# Altium PCB Boost Drive.PcbDoc
Units mil, origin at the board's own origin, x right, y up, seen from the top; angles counter-clockwise.
Board outline 2424.88 x 1854.35 mil, 2 copper layers (Top Layer, Bottom Layer); 31 components, 27 nets, 110 pads, 89 vias.
Unrouted connection lines stored in the file: 31.
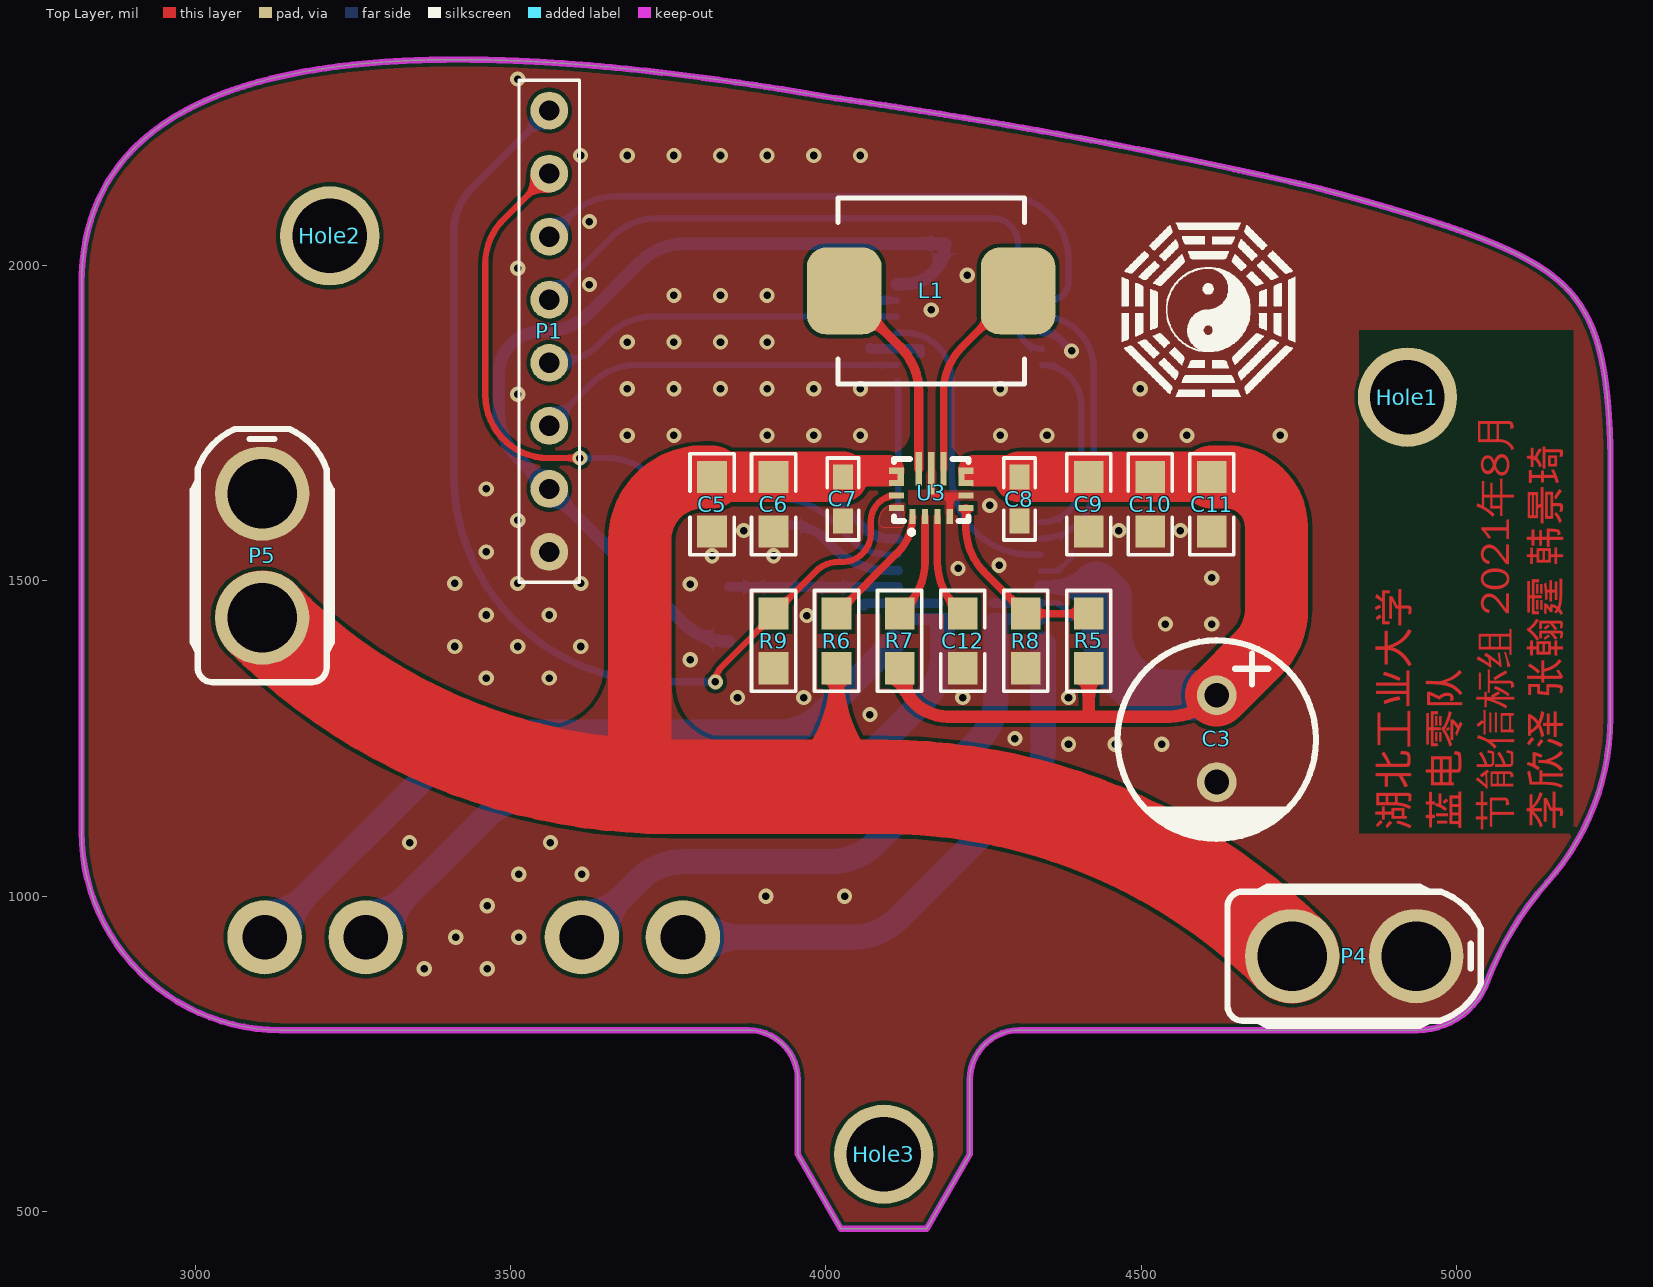
[diagram p0: Top Layer view]
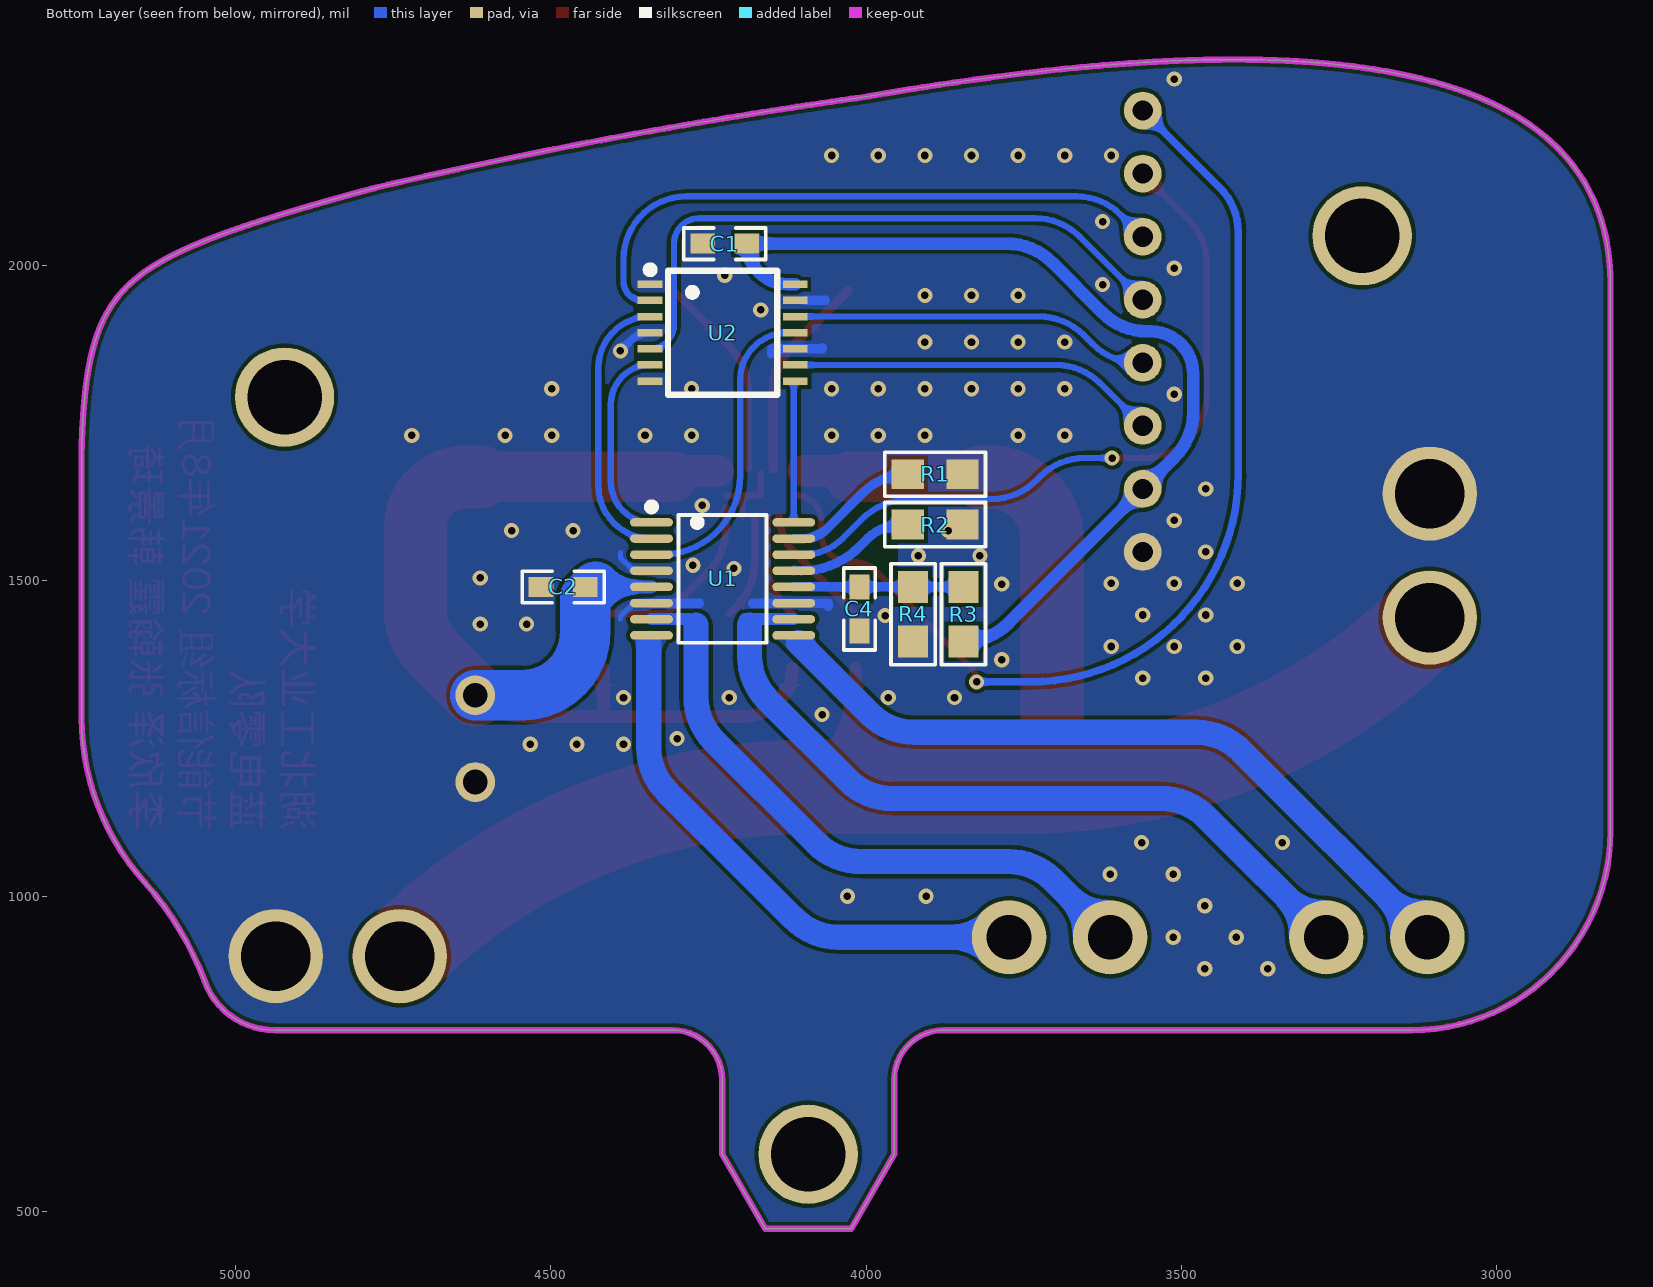
[diagram p1: Bottom Layer view, seen from below]
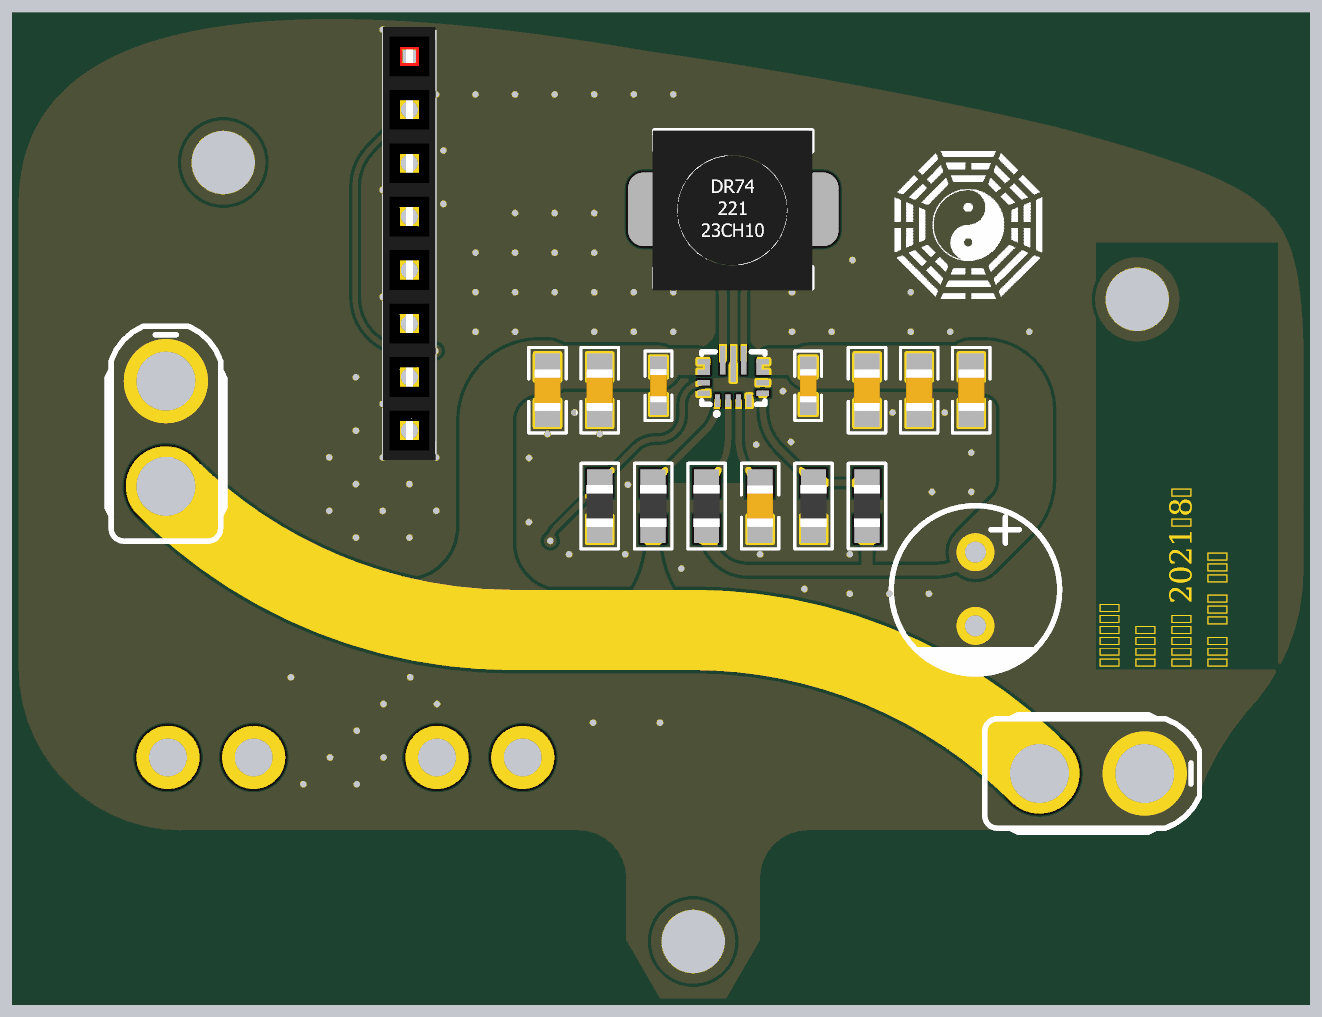
[diagram p2: 3D render of the assembled board from above, using the file's embedded part models]
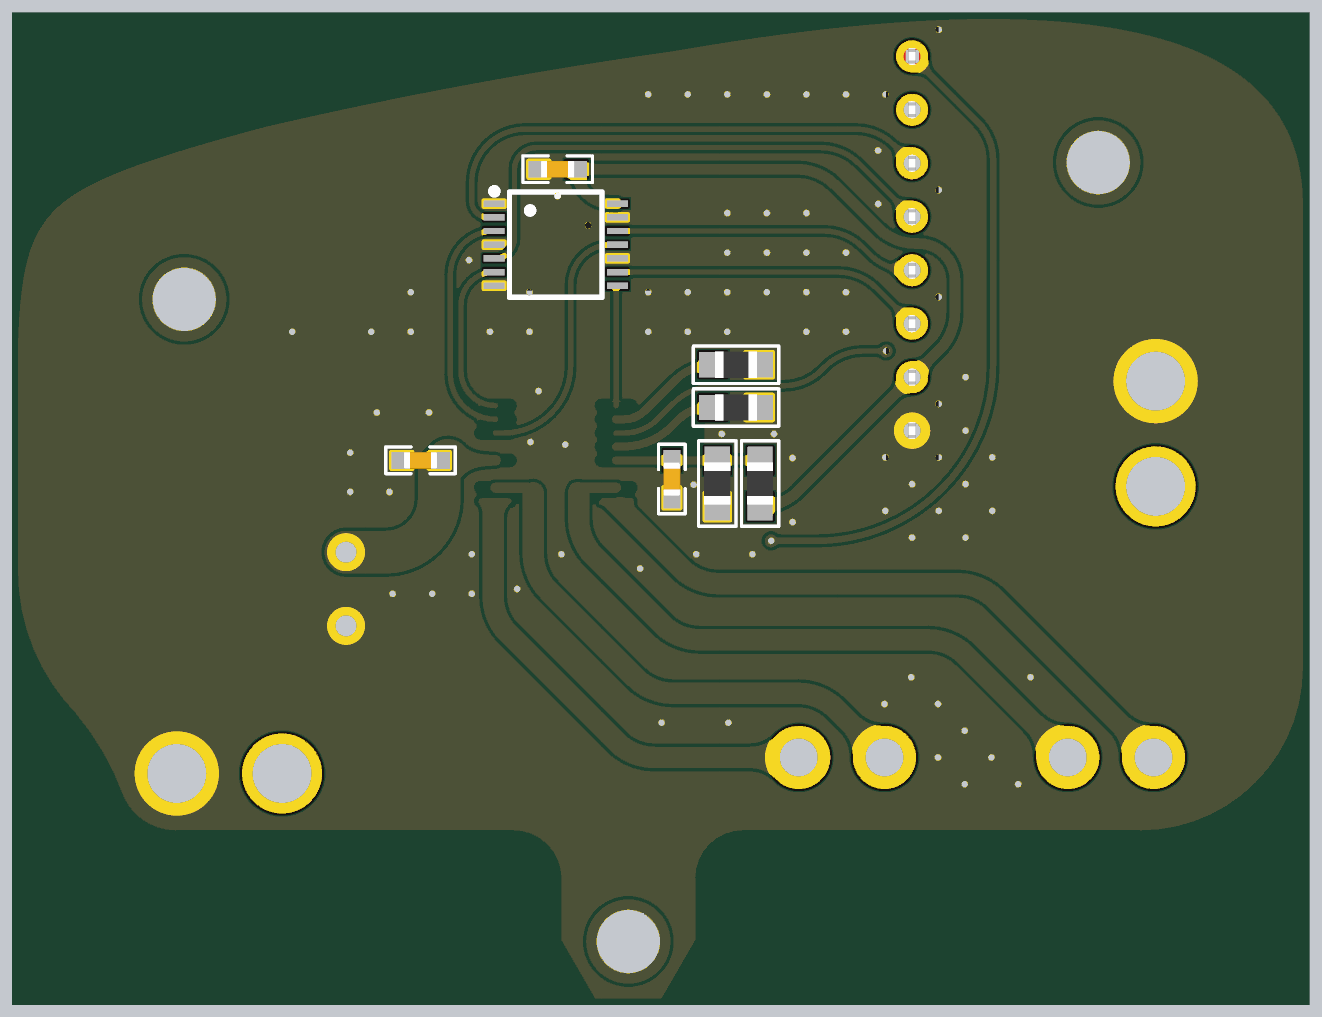
[diagram p3: 3D render of the assembled board from below, using the file's embedded part models]

## Layer stack, top to bottom
Top Solder: solder mask 0.4, Solder Resist, Dk 3.5
Top Layer: signal copper 1.4
Dielectric 1: dielectric 12.6, FR-4, Dk 4.8
Bottom Layer: signal copper 1.4
Bottom Solder: solder mask 0.4, Solder Resist, Dk 3.5

## Board outline
843 vertices, not listed, extent 2819.65,472.69 5244.53,2327.04

## Design rules (kind name [scope] priority, off if disabled: settings)
Clearance [All] p1: gap=6 ignorepadtopadclearanceinfootprint=TRUE
HoleSize [All] p1: absolutevalues=TRUE maxlimit=10000 minlimit=1 maxpercent=80.000 minpercent=20.000
MinimumSolderMaskSliver [All] p1: minsoldermaskwidth=6
PlaneConnect [All] p1: planeconnectstyle=Relief reliefexpansion=20 reliefentries=4 reliefconductorwidth=30 reliefairgap=10
PolygonConnect PolygonConnect_6 [All vs IsNamedPolygon('DGND_L02_P002') or IsNamedPolygon('NONET_L-01_P-001')] p1: connectstyle=Direct reliefconductorwidth=10 reliefentries=4 polygonreliefangle="90 Angle" airgapwidth=10
PolygonConnect PolygonConnect_5 [All vs IsNamedPolygon('DGND_L01_P003')] p2: connectstyle=Direct reliefconductorwidth=10 reliefentries=4 polygonreliefangle="90 Angle" airgapwidth=10
PolygonConnect PolygonConnect_4 [All vs IsNamedPolygon('VIN_L01_P011')] p3: connectstyle=Direct reliefconductorwidth=10 reliefentries=4 polygonreliefangle="90 Angle" airgapwidth=10
PolygonConnect PolygonConnect_3 [All vs IsNamedPolygon('VM_L01_P014')] p4: connectstyle=Direct reliefconductorwidth=10 reliefentries=4 polygonreliefangle="90 Angle" airgapwidth=10
PolygonConnect PolygonConnect_2 [All vs IsNamedPolygon('DGND_L01_P003')] p5: connectstyle=Direct reliefconductorwidth=10 reliefentries=4 polygonreliefangle="90 Angle" airgapwidth=10
PolygonConnect PolygonConnect_1 [All vs IsNamedPolygon('+9_L01_P001') Or IsNamedPolygon('DGND_L01_P004') Or IsNamedPolygon('VIN_L01_P000') Or IsNamedPolygon('DGND_L02_P005') Or IsNamedPolygon('VM_L01_P001')   Or IsNamedPolygon('NETC13_1_L01_P000') Or IsNamedPolygon('MOTOR2_OUT2_L02_P007') Or IsNamedPolygon('MOTOR1_OUT2_L02_P006')] p6: connectstyle=Direct reliefconductorwidth=30 reliefentries=4 polygonreliefangle="90 Angle" airgapwidth=6
PolygonConnect [All] p7: thpad.connectstyle=Relief thpad.reliefconductorwidth=30 thpad.reliefentries=4 thpad.polygonreliefangle="90 Angle" thpad.airgapwidth=10 smdpad.connectstyle=Relief smdpad.reliefconductorwidth=30 smdpad.reliefentries=4 smdpad.polygonreliefangle="90 Angle" smdpad.airgapwidth=10 via.connectstyle=Direct via.reliefconductorwidth=10 via.reliefentries=4 via.polygonreliefangle="90 Angle" via.airgapwidth=10
RoutingVias [All] p1: holewidth=12 width=24 viastyle="Through Hole" minholewidth=12 minwidth=12 maxholewidth=28 maxwidth=50
SilkToSilkClearance [All] p1: silktosilkclearance=0
SilkToSolderMaskClearance [IsPad] p1: minsilkscreentomaskgap=0 clearancetoexposedcopper=TRUE
SolderMaskExpansion [All] p1: expansion=4 istentingtop=FALSE
Width [All] p1: maxlimit=150 minlimit=8 preferedwidth=30 minimp=50.000000 maximp=50.000000 favimp=50.000000
25 further rules are at their usual default settings.

## Components (designator, comment, footprint, x,y, rotation, side; value= is the part's Value field where it differs from the comment)
C1 "0.1uF" 0603_CAP 4224.37,2035 r0 bottom
C2 "0.1uF" 0603_CAP 4480.73,1490.59 r180 bottom
C3 "220uF" CAP-TH_BD8.0-P3.50-D1.0-FD 4620,1250 r270 top
C4 "0.1uF" 0603_CAP 4010.73,1455.59 r90 bottom
C5 "10uF" 0805_CAP 3819.71,1621.79 r90 top
C6 "10uF" 0805_CAP 3917.21,1621.79 r90 top
C7 "10uF" 0603_CAP 4027.21,1630.1 r90 top
C8 "10uF" 0603_CAP 4307.21,1630 r90 top
C9 "22uF" 0805_CAP 4417.21,1621.79 r90 top
C10 "22uF" 0805_CAP 4514.71,1621.79 r90 top
C11 "22uF" 0805_CAP 4612.21,1621.79 r90 top
C12 "0.1uF" 0805_CAP 4217.21,1405 r90 top
Hole1 "Hole" Hole 4922.58,1791.61 r0 top locked
Hole2 "Hole" Hole 3213.38,2047.49 r0 top
Hole3 "Hole" Hole 4092.09,590.8 r0 top
L1 "1.5uH" CDRH74R 4167.2,1960 r0 top
P1 "HDR1x8_2.54_F" HDR_1X8_F 3561.5,2246.1 r0 top locked
P4 "XT30 DIP" "XT30 DIP" 4739.65,905 r0 top locked
P5 "XT30 DIP" "XT30 DIP" 3106.1,1441.83 r90 top locked
R1 "10K" 0805_RES 3890.73,1669.41 r0 bottom
R2 "40~75K" 0805_RES 3890.73,1589.41 r0 bottom
R3 "8.5K" 0805_RES 3845.73,1447.28 r270 bottom
R4 "10K" 0805_RES 3925.73,1447.28 r90 bottom
R5 "402K" 0805_RES 4417.21,1405 r270 top
R6 "10K" 0805_RES 4017.21,1405 r90 top
R7 "100K" 0805_RES 4117.21,1405 r270 top
R8 "39K" 0805_RES 4317.21,1405 r90 top
R9 "10K" 0805_RES 3917.21,1405 r90 top
U1 "TC78H660FNG" TSSOP-16_L5.0-W4.4-P0.65-LS6.4-BL -9255.6,19501.6 r270 bottom
U2 "74HC125PWR" TSSOP-14_L5.0-W4.4-P0.65-LS6.5-BL 4228.45,1895 r270 bottom
U3 "TPS63070" VQFN-15_L3.0-W2.5-P0.50-BL 4167.21,1640 r0 top

## Footprints (in the part's own frame and the unit in brackets; to place one, negate y for a bottom-side part, rotate by r counter-clockwise, add the part's x,y. Pads: shape width x height; smd on the part's side, far side on the other; paste and mask are expansions set on the pad)
0603_CAP [mm]
  rect 1x0.8 smd: 1(-0.889,0) 2(0.889,0)
  silkscreen extent -1.65,-0.64 1.65,0.64, body extent -0.8,-0.4 0.8,0.4, height 0.8
0805_CAP [mm]
  rect 1.3x1.2 smd: 1(-1.1,0) 2(1.1,0)
  silkscreen extent -2.03,-0.89 2.03,0.89, body extent -1,-0.62 1,0.63, height 1
0805_RES [mm]
  rect 1.3x1.2 smd: 1(-1.1,0) 2(1.1,0)
  silkscreen extent -2.03,-0.89 2.03,0.89, body extent -1,-0.62 1,0.63, height 0.6
CAP-TH_BD8.0-P3.50-D1.0-FD [mm]
  round 1.6 hole 1: 1(-1.749,0) 2(1.751,0)
  silkscreen extent -3.96,-4 4.04,4
CDRH74R [mm] "CDRH74R - 7*7*4"
  rrect50% 3x3.5 smd: 1(-3.5,0) 2(3.5,0)
  silkscreen extent -3.75,-3.75 3.75,3.75, body extent -3.85,-3.85 3.75,3.75
HDR_1X8_F [mil] "HDR1X8_2.54_180F"
  round 60 hole 32: 1(0,0) 2(0,-100) 3(0,-200) 4(0,-300) 5(0,-400) 6(0,-500) 7(0,-600) 8(0,-700)
  silkscreen extent -48,-748 48,48, body extent -49,-755 49,55, height 335
Hole [mm] "3MM定位孔"
  round 4 hole 3 mask+0.102: 0(0,0)
TSSOP-14_L5.0-W4.4-P0.65-LS6.5-BL [mil]
  rect 12x39 smd: 1(-75.6,-114.53) 2(-50.01,-114.53) 3(-24.42,-114.53) 4(1.17,-114.53) 5(26.76,-114.53) 6(52.35,-114.53) 7(77.94,-114.53) 8(77.94,115.78) 9(52.35,115.78) 10(26.76,115.78) 11(1.17,115.78) 12(-24.42,115.78) 13(-50.01,115.78) 14(-75.6,115.78)
  silkscreen extent -105,-120 100,87
TSSOP-16_L5.0-W4.4-P0.65-LS6.4-BL [mil]
  oval 13.5x68.17 smd: 1(17908.65,-13596.25) 2(17934.24,-13596.25) 3(17959.83,-13596.25) 4(17985.42,-13596.25) 5(18011.01,-13596.25) 6(18036.6,-13596.25) 7(18062.19,-13596.25) 8(18087.78,-13596.25) 9(18087.78,-13370.6) 10(18062.19,-13370.6) 11(18036.6,-13370.6) 12(18011.01,-13370.6) 13(17985.42,-13370.6) 14(17959.83,-13370.6) 15(17934.24,-13370.6) 16(17908.65,-13370.6)
  silkscreen extent 17878,-13602 18100,-13414
VQFN-15_L3.0-W2.5-P0.50-BL [mm]
  rect 0.25x0.6 smd: 1(-0.75,-0.962) 2(-0.25,-0.963) 3(0.25,-0.963) 4(0.75,-0.963)
  rect 0.6x0.25 smd: 5(1.4,-0.612) 6(1.4,-0.112) 7(1.4,0.388) 7(1.4,0.888) 12(-1.4,0.388) 12(-1.4,0.888) 14(-1.4,-0.112) 15(-1.4,-0.612)
  rect 0.25x0.75 smd: 7(1.225,0.638) 12(-1.225,0.638)
  rect 0.25x1.35 smd: 9(0.5,0.963) 11(-0.5,0.963)
  rect 0.25x1.7 smd: 10(0,0.788)
  silkscreen extent -1.5,-1.65 1.5,1.36
"XT30 DIP" [mm] "XT30 DIP"
  round 3.8 hole 2.8: 1(0,0) 2(5,0)
  silkscreen extent -2.6,-2.8 7.6,2.8

## Part data
C1 C2 C4 C7 C8: library part 0603_CAP, "Capacitor", Specification="X7R 50V"
C3: library part CAP_8x11.5, "Electrolytic capacitor"
C5 C6 C9 C10 C11 C12: library part 0805_CAP, "Capacitor", Specification="X7R 50V"
L1: library part IND, "Inductor", BOM_Manufacturer=microgate, BOM_Manufacturer Part=MPIT6045-330M-LF, BOM_Supplier=LCSC, BOM_Supplier Part=C696490, Contributor=LCSC, nameAlias=Inductance, spicePre=L, spiceSymbolName=MPIT6045-330M-LF
P1: "Header"
P4 P5: "XT30 板载直头直插"
R1 R2 R3 R4 R5 R6 R7 R8 R9: library part 0805_RES, "Resistor", Specification=±5%

## Free pads (board coordinates)
  round 118.11 hole 70.87: 3(3110,935) 4(3270.32,935) 4(3773.46,935) 5(3613.15,935)

## Via types
v1: diameter 24, hole 12, Top Layer to Bottom Layer, tented both sides, 89 vias

## Nets (pads, with @x,y where several pads share a name; then routed paths per layer and width w, separated by ;. In a path a pad name is that pad's centre, name@x,y a point inside that pad or via, vN(x,y) a via of type N, cw(c..) or ccw(c..) an arc to the next point about the centre after c; other vN are vias at no path point)
DGND: C1.2 C2.1 C3.2 C4.1 C5.1 C6.1 C7.1 C8.1 C9.1 C10.1 C11.1 C12.1 P1.8 P4.2 P5.2 R1.1 R2.1 R4.1 R8.1 R9.1 U1.4 U1.6 U1.11 U2.1 U2.4 U2.7 U2.10 U2.13 U3.4 U3.6 U3.10 U3.15 | length 647.1
  Top Layer w10: U3.10 4167.21,1635.57 4196.73,1635.57 ; U3.4 4196.73,1635.57 ; U3.6 4196.73,1635.57
  Bottom Layer w8: U1.6 4368.85,1465 4390,1443.85 4390,1440 ; U1.4 4368.85,1516.18 4390,1537.33 4390,1545
  Bottom Layer w10: U2.13@4098.17,1945 U2.13
  Bottom Layer w12: U2.4 cw(c4342.98,1849.93) 4374.01,1880.99 4381.63,1873.37 v1(4390,1865)
  Bottom Layer w15: 4060,1460 4060,1465 U1.11 4180,1465 ; 4065,1945 U2.13@4098.17,1945 ; 4070,1870 4070,1868.24 U2.10 4150,1868.24 4150,1860 ; 4265,1465 U1.6
  other v1: 3363.15,885 3463.15,885 3413.15,935 3513.15,935 3463.15,985 3905,1000 4030,1000 3513.15,1035 3613.15,1035 3340,1085 3563.15,1085 4385,1241.02 4458.98,1241.02 4532.95,1241.02 4300,1250 4070,1288.21 3860,1315 3965,1315 4217.21,1315 4385,1315 3461.5,1346.1 3561.5,1346.1 3785,1375 3411.5,1396.1 3511.5,1396.1 3611.5,1396.1 4538.72,1431.52 4612.21,1431.52 3970,1445 3461.5,1446.1 3561.5,1446.1 3785,1495 3411.5,1496.1 3511.5,1496.1 3611.5,1496.1 4612.21,1505 4210,1520 4275,1525 3819.71,1540 3917.21,1540 3461.5,1546.1 3870,1580 4465,1580 4562.5,1580 3511.5,1596.1 4260,1620 3461.5,1646.1 3685.12,1731.02 3759.09,1731.02 3907.05,1731.02 3981.02,1731.02 4055,1731.02 4276.93,1731.02 4350.91,1731.02 4498.86,1731.02 4572.84,1731.02 4720.79,1731.02 3511.5,1796.1 3685.12,1805 3759.09,1805 3833.07,1805 3907.05,1805 3981.02,1805 4055,1805 4276.93,1805 4498.86,1805 3685.12,1878.98 3759.09,1878.98 3833.07,1878.98 3907.05,1878.98 4167.2,1930 3759.09,1952.95 3833.07,1952.95 3907.05,1952.95 3625,1970 4224.37,1985 3511.5,1996.1 3625,2070 3611.14,2174.88 3685.12,2174.88 3759.09,2174.88 3833.07,2174.88 3907.05,2174.88 3981.02,2174.88 4055,2174.88 3511.5,2296.1
Motor1_D: P1.5 U2.12 | length 572.9
  Bottom Layer w10: P1.5 3569.68,1846.1 ccw(c3569.68,1946.1) 3640.39,1875.39 3655.13,1890.13 cw(c3725.84,1819.42) 3725.84,1919.42 U2.12
Motor1_IN: U1.3 U2.11 | length 494.2
  Bottom Layer w10: U2.11 4125,1893.83 cw(c4125,1818.83) 4200,1818.83 4200,1666.77 ccw(c4325,1666.77) 4325,1541.77 U1.3
Motor1_OUT1: pad.5 U1.7 | length 1012.6
  Bottom Layer w19: 4271.72,1430 4281.13,1439.41 U1.7
  Bottom Layer w40: pad.5 3703.86,1025.71 cw(c3774.57,955) 3774.57,1055 4008.58,1055 ccw(c4008.58,1155) 4079.29,1084.29 4240.71,1245.71 ccw(c4170,1316.42) 4270,1316.42 4270,1430
Motor1_OUT2: pad.4@3773.46,935 U1.8 | length 875.6
  Bottom Layer w40: pad.4@3773.46,935 4043.58,935 ccw(c4043.58,1035) 4114.29,964.29 4315.71,1165.71 ccw(c4245,1236.42) 4345,1236.42 4345,1400
Motor1_S: P1.6 U2.9 | length 586.9
  Bottom Layer w10: P1.6 3628.76,1813.36 cw(c3699.47,1742.65) 3699.47,1842.65 U2.9
Motor1_SP: U1.16 U2.8 | length 225.9
  Bottom Layer w10: U2.8 4114,1817.06 4115,1816.06 U1.16
Motor2_D: P1.4 U2.5 | length 1004.3
  Bottom Layer w10: P1.4 3661.61,2046.22 cw(c3732.33,1975.51) 3732.33,2075.51 4264.41,2075.51 cw(c4264.41,2034.92) 4305,2034.92 4305,1906.22 ccw(c4342.98,1906.22) U2.5
Motor2_IN: U1.1 U2.6 | length 321.8
  Bottom Layer w10: U1.1 ccw(c4340.65,1657.3) 4405,1657.3 4405,1780.63 ccw(c4342.98,1780.63) U2.6
Motor2_OUT1: pad.4@3270.32,935 U1.10 | length 1236.5
  Bottom Layer w19: U1.10 4192,1439.41
  Bottom Layer w40: pad.4@3270.32,935 3461.03,1125.71 cw(c3531.74,1055) 3531.74,1155 3958.58,1155 ccw(c3958.58,1255) 4029.29,1184.29 4155.71,1310.71 ccw(c4085,1381.42) 4185,1381.42 4185,1430
Motor2_OUT2: pad.3 U1.9 | length 1182.5
  Bottom Layer w40: pad.3 3405.71,1230.71 cw(c3476.42,1160) 3476.42,1260 3923.58,1260 ccw(c3923.58,1360) 3994.29,1289.29 4107.5,1402.5
Motor2_S: P1.3 U2.2 | length 996.9
  Bottom Layer w10: P1.3 3596.1,2080.71 cw(c3666.82,2010) 3666.82,2110 4285,2110 cw(c4285,2010) 4385,2010 4385,1975 cw(c4355.01,1975) 4355.01,1945.01 U2.2
Motor2_SP: U1.2 U2.3 | length 447
  Bottom Layer w10: U1.2 ccw(c4340.65,1651.71) 4425,1651.71 4425,1837.41 ccw(c4342.98,1837.41) U2.3
Motor_EN: P1.1 R9.2 U3.14 | length 1678.2
  Top Layer w10: v1(3825,1340) cw(c3859.12,1340) 3827.3,1352.3 cw(c3859.12,1340) 3834.99,1364.12 ; 3834.99,1364.13 3917.21,1446.34 R9.2 3983.98,1515.08 cw(c4021.2,1477.86) 4020.44,1530.49 cw(c4020.61,1518.49) 4021.74,1530.44 ccw(c4026.2,1575.53) 4071.51,1575.53 4071.51,1595 cw(c4112.08,1595) U3.14
  Bottom Layer w12: P1.1 3439.29,2123.9 ccw(c3510,2053.18) 3410,2053.18 3410,1669.84 ccw(c3739.84,1669.84) 3739.84,1340 v1(3825,1340)
Motor_STBY: P1.2 U1.14 | length 1147.2
  Top Layer w10: P1.2 3489.29,2073.9 ccw(c3560,2003.18) 3460,2003.18 3460,1795 ccw(c3560,1795) 3560,1695 v1(3610,1695)
  Bottom Layer w10: v1(3610,1695) 3653.58,1695 cw(c3653.58,1595) 3724.29,1665.71 3730.71,1659.29 ccw(c3801.42,1730) 3770.85,1634.79 ccw(c3801.42,1730) 3801.42,1630 3928.58,1630 cw(c3928.58,1517.93) 4007.83,1597.17 4037.47,1567.53 ccw(c4099.65,1629.7) 4099.65,1541.77 U1.14
NetC4_2: C4.2 R3.1 R4.2 U1.12 | length 269.3
  Bottom Layer w15: R3.1 R4.2 C4.2 U1.12
NetC12_2: C12.2 U3.3 | length 166.1
  Top Layer w12: U3.3 4177.05,1529.89 ccw(c4277.05,1529.89) 4206.34,1459.18 C12.2
NetL1_1: L1.1 U3.11 | length 326.7
  Top Layer w15: L1.1 4118.23,1871.18 cw(c4047.52,1800.47) 4147.52,1800.47 U3.11
NetL1_2: L1.2 U3.9 | length 326.7
  Top Layer w12: U3.9 4186.89,1800.47 cw(c4286.89,1800.47) 4216.18,1871.18 L1.2
NetR1_2: R1.2 U1.15 | length 216.7
  Bottom Layer w15: R1.2 3934.17,1669.41 cw(c3934.17,1569.41) 4004.88,1640.12 4062.5,1582.5 ccw(c4099.05,1619.05) 4099.05,1567.36 U1.15
NetR2_2: R2.2 U1.13 | length 202.6
  Bottom Layer w15: R2.2@3934.21,1588.28 3952.13,1588.8 cw(c3945.27,1515.2) 3997.51,1567.49 4011.02,1553.98 ccw(c4101.8,1644.56) 4114.25,1516.93 U1.13
NetR5_1: R5.1 R8.2 U3.5 | length 302.6
  Top Layer w12: U3.5 4222.32,1584.61 ccw(c4322.32,1584.61) 4251.61,1513.9 R8.2 R5.1
NetR6_2: R6.2 U3.1 | length 200.2
  Top Layer w12: R6.2 4114.1,1545.21 ccw(c4057.19,1602.12) U3.1
NetR7_1: R7.1 U3.2 | length 166.1
  Top Layer w12: R7.1 4128.07,1459.17 ccw(c4057.36,1529.88) 4157.36,1529.88 U3.2
VCC: C1.1 P1.7 R3.2 U2.14 | length 1500.5
  Bottom Layer w20: 3501.11,1876.11 ccw(c3549.09,1828.18) 3481.27,1828.18 3481.27,1767.75 ccw(c3581.27,1767.75) 3510.56,1697.04 P1.7 3774.33,1433.27 ccw(c3845.04,1503.98) 3845.04,1403.98 R3.2 ; 3501.16,1876.16 cw(c3549.09,1828.18) 3549.09,1896 3554.58,1896 ccw(c3554.58,1996) 3625.29,1925.29 3705.71,2005.71 cw(c3776.42,1935) 3776.42,2035 C1.1 cw(c4124.98,2035) 4124.98,1970.6 U2.14
Vin: C5.2 C6.2 C7.2 P4.1 P5.1 R6.1 U3.12 | length 2865.2
  Top Layer w20: 4015,1173.41 4017.21,1173.41 R6.1
  Top Layer w50: C7.2 cw(c4037.11,1665.1) 4037.11,1675 4100,1675
  Top Layer w80: C5.2 C6.2 C7.2
  Top Layer w100: 3754.18,1173.41 cw(c3754.18,1222.6) 3705,1222.6 3705,1565.1 cw(c3805,1565.1) 3805,1665.1 C5.2 ; 3754.36,1173.41 ccw(c3754.36,1186.26) 3767.2,1186.26
  Top Layer w150: P5.1 ccw(c3754.11,2089.84) 3754.18,1173.41 3754.36,1173.41 4091.39,1173.41 4091.57,1173.41 cw(c4091.64,256.99) P4.1
VM: C2.2 C3.1 C8.2 C9.2 C10.2 C11.2 R5.2 R7.2 U1.5 U3.7 | length 1865.1
  Top Layer w20: R7.2 ccw(c4193.9,1361.69) 4193.9,1285 4420,1285 ; R5.2 4417.21,1291.75 ccw(c4426.75,1291.75) 4420,1285 ; C3.1 4615.44,1314.29 cw(c4544.73,1385) 4544.73,1285 4420,1285
  Top Layer w50: 4235,1675 4297.21,1675 cw(c4297.21,1665) 4307.21,1665.1 cw(c4297.21,1665) C8.2
  Top Layer w80: C8.2 4307.21,1665.1 C9.2 C10.2 C11.2
  Top Layer w100: C11.2 4634.9,1665.1 cw(c4634.9,1585) 4715,1585 4715,1455.27 cw(c4615,1455.27) 4685.71,1384.56 C3.1
  Bottom Layer w20: U1.5 4414.41,1490.59
  Bottom Layer w60: 4414.41,1490.59 C2.2@4429.41,1490.59
  Bottom Layer w80: C2.2@4429.41,1490.59 4445.73,1474.27 4445.73,1418.85 ccw(c4545.73,1418.85) 4545.73,1318.85 C3.1
pads on no net: Hole1.0 Hole2.0 Hole3.0

## Polygon pours and split planes (outlines as drawn)
DGND on Bottom Layer "NONET_L-01_P-001" (solid, remove dead copper, pour order 10): 2695,2425 2695,420 5310,420 5310,2425
Motor2_OUT2 on Bottom Layer "MOTOR2_OUT2_L02_P007" (solid, remove dead copper, pour order 7): 4107.21,1374.05 4137.45,1404.29 cw(c4145.53,1396.21) 4145.53,1407.64 4146.64,1408.75 ccw(c4142.55,1412.84) 4148.34,1412.84 4142.01,1419.17 ccw(c4140,1417.16) 4140,1420 4085,1420 4084.15,1419.15 ccw(c4089.5,1413.8) 4081.94,1413.8 cw(c4053.29,1413.8) 4073.55,1393.55 4070,1390
Motor1_OUT2 on Bottom Layer "MOTOR1_OUT2_L02_P006" (solid, remove dead copper, pour order 6): 4365,1385 4365,1390.86 cw(c4399.14,1390.86) 4375,1415 ccw(c4362.93,1402.93) 4362.93,1420 4319.61,1420 ccw(c4319.61,1402.82) 4307.46,1414.97 4316.21,1406.22 cw(c4294.99,1385) 4325,1385
DGND on Top Layer "NONET_L-01_P-001" (solid, remove dead copper, pour order 11): 2695,2425 2695,420 5310,420 5310,2425
DGND on Top Layer "NONET_L-01_P-001" (solid, remove dead copper, pour order 12): 4112.55,1620.83 4109.6,1620.83 ccw(c4109.6,1595) 4083.77,1595 ccw(c4093.77,1595) 4093.77,1585 4120.4,1585 ccw(c4120.4,1588.79) 4124.19,1588.79 4124.19,1609.88 ccw(c4109.88,1609.88) 4120,1620
Vin on Top Layer "NONET_L-01_P-001" (solid, remove dead copper, pour order 8): 3755,1375 3755,1335 ccw(c3845,1335) 3845,1245 3845,1155 cw(c3835,1155) 3835,1145 3625,1145 cw(c3625,1180) 3590,1180 cw(c3590,1215) 3555,1215 3555,1265 ccw(c3555,1365) 3655,1365 3655,1375

## Keep-outs
Keep-Out Layer:
  lines w10: 2819.65,1977.86 2819.65,1102.61 ccw(c3134.61,1102.61) 3134.61,787.65 3876.97,787.65 cw(c3876.97,708.91) 3955.71,708.91 3955.71,590.8 4023.9,472.69 4160.29,472.69 4228.48,590.8 4228.48,708.91 cw(c4307.22,708.91) 4307.22,787.65 4897.77,787.65 4938.35,787.65 ccw(c4938.35,905.76) 5048.96,864.33 cw(c5516.45,689.23) 5144.31,1021.98 ccw(c4850.82,1284.4) 5244.52,1283.54 5244.52,1706.92 ; 2819.73,1980.77 2819.82,1983.75 2819.94,1986.71 2820.08,1989.65 2820.24,1992.59 2820.43,1995.51 2820.63,1998.42 2820.86,2001.31 2821.1,2004.19 2821.37,2007.07 2821.66,2009.92 2821.97,2012.77 2822.3,2015.6 2822.66,2018.42 2823.03,2021.22 2823.43,2024.02 2823.84,2026.8 2824.43,2030.48 2825.06,2034.15 2825.73,2037.79 2826.43,2041.41 2827.18,2045.01 2827.96,2048.58 2828.78,2052.13 2829.63,2055.66 2830.53,2059.16 2831.7,2063.51 2832.93,2067.83 2834.22,2072.1 2835.57,2076.35 2836.98,2080.55 cw(c3109.24,1987.03) 2838.75,2085.55 cw(c3106.37,1988.08) 2840.6,2090.5 cw(c3103.6,1989.14) 2842.88,2096.21 cw(c3100.86,1990.27) 2845.62,2102.65 cw(c3098.19,1991.45) 2849.25,2110.58 cw(c3094.31,1993.36) 2867.13,2142.3 cw(c3095.33,1992.66) 2875.04,2153.72 cw(c3097.7,1990.94) 2880.3,2160.67 cw(c3099.96,1989.17) 2884.67,2166.13 cw(c3102.22,1987.31) 2888.63,2170.84 cw(c3104.45,1985.41) 2892.11,2174.81 cw(c3106.71,1983.39) 2895.68,2178.74 2898.71,2181.97 2901.81,2185.17 2904.97,2188.33 2908.18,2191.45 2910.8,2193.93 2913.45,2196.38 2916.14,2198.81 2918.87,2201.21 2921.64,2203.59 2924.44,2205.95 2927.29,2208.29 2930.17,2210.61 2933.09,2212.9 2936.05,2215.17 2938.29,2216.85 2940.55,2218.53 2942.84,2220.19 2945.15,2221.84 2947.48,2223.47 2949.83,2225.1 2952.2,2226.71 2954.59,2228.3 2957,2229.89 2959.44,2231.46 2961.9,2233.02 2964.38,2234.56 2966.88,2236.1 2969.4,2237.62 2971.94,2239.13 2974.5,2240.62 2977.09,2242.1 2979.7,2243.57 2982.32,2245.03 2984.97,2246.47 2987.64,2247.9 2990.34,2249.32 2993.05,2250.72 2995.79,2252.12 2998.54,2253.5 3001.32,2254.86 3004.12,2256.22 3006.94,2257.56 3009.78,2258.88 3012.65,2260.2 3015.53,2261.5 3018.44,2262.79 3021.37,2264.07 3024.31,2265.33 3027.29,2266.58 3030.28,2267.82 3033.29,2269.05 3036.33,2270.26 3039.38,2271.46 3042.46,2272.65 3045.56,2273.82 3048.68,2274.98 3051.82,2276.13 3054.98,2277.27 3058.17,2278.39 3061.37,2279.5 3064.6,2280.6 3067.85,2281.68 3071.12,2282.75 3074.41,2283.81 3077.72,2284.86 3081.06,2285.89 3084.41,2286.91 3087.79,2287.92 3091.19,2288.92 3094.61,2289.9 3098.05,2290.87 3101.51,2291.82 3104.99,2292.77 3108.5,2293.7 3112.03,2294.62 3115.57,2295.52 3119.14,2296.41 3122.74,2297.29 3126.35,2298.16 3129.98,2299.01 3133.64,2299.85 3137.31,2300.68 3141.01,2301.5 3144.73,2302.3 3148.47,2303.09 3152.23,2303.87 3156.02,2304.63 3159.82,2305.38 3163.65,2306.12 3167.49,2306.85 3171.36,2307.56 3175.25,2308.26 3179.16,2308.95 3183.1,2309.62 3187.05,2310.28 3191.03,2310.93 3195.03,2311.57 3199.04,2312.19 3203.08,2312.8 3207.15,2313.4 3211.23,2313.99 3215.33,2314.56 3219.46,2315.12 3223.61,2315.66 3227.77,2316.2 3231.96,2316.72 3236.18,2317.22 3240.41,2317.72 3244.66,2318.2 3248.94,2318.67 3253.23,2319.13 3257.55,2319.57 3261.89,2320 3266.25,2320.42 3270.64,2320.83 3275.04,2321.22 3279.46,2321.6 3283.91,2321.97 3288.38,2322.32 3292.87,2322.66 3297.38,2322.99 3301.91,2323.31 3306.46,2323.61 3311.04,2323.9 3315.64,2324.18 3320.25,2324.44 3324.89,2324.69 3329.55,2324.93 3334.23,2325.16 3338.94,2325.37 3343.66,2325.57 3348.41,2325.76 3353.18,2325.93 3357.96,2326.09 3362.77,2326.24 3367.61,2326.38 3372.46,2326.5 3377.33,2326.61 3382.23,2326.71 3387.15,2326.8 3392.08,2326.87 3397.04,2326.93 3402.03,2326.97 3407.03,2327.01 3412.05,2327.03 3417.1,2327.04 3422.17,2327.03 3427.25,2327.02 3432.36,2326.99 3437.49,2326.94 3442.65,2326.89 3447.82,2326.82 3453.02,2326.74 3458.23,2326.64 3463.47,2326.53 3468.73,2326.41 3474.01,2326.28 3479.31,2326.14 3484.64,2325.98 3489.98,2325.81 3495.35,2325.62 3500.74,2325.42 3506.14,2325.21 3511.58,2324.99 3517.03,2324.76 3522.5,2324.51 3528,2324.25 3533.51,2323.97 3539.05,2323.69 3544.61,2323.39 3550.19,2323.08 3555.79,2322.75 3561.41,2322.41 3567.06,2322.06 3572.72,2321.7 3578.41,2321.32 3584.12,2320.93 3589.85,2320.53 3595.6,2320.12 3601.37,2319.69 3607.17,2319.25 3612.98,2318.8 3618.82,2318.33 3624.68,2317.85 3630.56,2317.36 3636.46,2316.85 3642.38,2316.34 3648.33,2315.81 3654.29,2315.26 3660.28,2314.71 3666.29,2314.14 3672.32,2313.56 3678.37,2312.96 3684.44,2312.36 3690.53,2311.74 3696.65,2311.1 3702.78,2310.46 3708.94,2309.8 3715.12,2309.13 3721.32,2308.45 3727.54,2307.75 3733.79,2307.04 3740.05,2306.32 3746.34,2305.58 3752.65,2304.83 3758.97,2304.07 3765.33,2303.3 3771.7,2302.51 3778.09,2301.71 3784.51,2300.9 3790.94,2300.08 3797.4,2299.24 3803.88,2298.39 3810.38,2297.53 3816.9,2296.65 3823.44,2295.76 3830.01,2294.86 3836.59,2293.94 3843.2,2293.02 3849.83,2292.08 3856.48,2291.12 3863.15,2290.16 3869.84,2289.18 3876.56,2288.19 3883.29,2287.18 3890.05,2286.17 3896.83,2285.14 3903.63,2284.09 3910.45,2283.04 3917.29,2281.97 3924.15,2280.89 3931.04,2279.8 3940.25,2278.32 3949.5,2276.82 3958.79,2275.29 3968.12,2273.74 3977.49,2272.18 3986.89,2270.58 3996.33,2268.97 4008.19,2266.92 4016.07,2265.8 4023.95,2264.68 4031.83,2263.56 4039.71,2262.42 4047.58,2261.28 4055.44,2260.14 4063.3,2258.99 4071.16,2257.83 4079.02,2256.66 4086.86,2255.49 4094.71,2254.32 4102.55,2253.13 4110.39,2251.94 4118.22,2250.75 4126.05,2249.55 4133.88,2248.34 4141.7,2247.12 4149.51,2245.9 4157.33,2244.67 4165.14,2243.44 4172.94,2242.2 4180.74,2240.95 4188.53,2239.7 4196.32,2238.44 4204.11,2237.18 4211.89,2235.91 4219.67,2234.63 4227.44,2233.35 4235.21,2232.06 4242.97,2230.76 4250.73,2229.46 4258.49,2228.15 4266.24,2226.84 4273.99,2225.52 4281.73,2224.19 4289.46,2222.86 4297.19,2221.52 4304.92,2220.17 4312.64,2218.82 4320.36,2217.46 4328.08,2216.1 4335.78,2214.73 4343.49,2213.35 4351.19,2211.97 4358.88,2210.58 4366.57,2209.18 4374.25,2207.78 4381.93,2206.38 4389.61,2204.96 4397.28,2203.54 4404.94,2202.12 4412.6,2200.68 4420.25,2199.25 4427.9,2197.8 4435.55,2196.35 4443.19,2194.9 4450.82,2193.43 4458.45,2191.96 4466.08,2190.49 4473.7,2189.01 4481.31,2187.52 4488.92,2186.03 4496.52,2184.53 4504.12,2183.02 4511.71,2181.51 4519.3,2179.99 4526.88,2178.47 4534.46,2176.94 4542.03,2175.41 4549.6,2173.86 4557.16,2172.32 4564.71,2170.76 4572.26,2169.2 4579.81,2167.64 4587.35,2166.06 4594.88,2164.49 4602.41,2162.9 4609.93,2161.31 4617.45,2159.72 4624.96,2158.11 4632.47,2156.51 4639.97,2154.89 4647.46,2153.27 4654.95,2151.64 4662.44,2150.01 4669.92,2148.37 4677.39,2146.73 4684.85,2145.08 4692.31,2143.42 4699.77,2141.76 4707.22,2140.09 4714.66,2138.42 4722.1,2136.74 4729.53,2135.05 4736.96,2133.36 4744.38,2131.66 4751.79,2129.96 4759.2,2128.25 4766.6,2126.53 4774,2124.81 4778.37,2123.64 4780.54,2123.06 4782.69,2122.49 4784.82,2121.91 4786.94,2121.34 4789.05,2120.78 4791.15,2120.21 4793.22,2119.65 4795.29,2119.09 4797.34,2118.54 4799.38,2117.99 4801.4,2117.44 4803.41,2116.89 4805.41,2116.35 4807.4,2115.81 4809.37,2115.27 4811.33,2114.74 4813.27,2114.21 4815.21,2113.68 4817.13,2113.15 4819.04,2112.63 4820.93,2112.11 4822.82,2111.59 4824.69,2111.07 4826.55,2110.56 4828.4,2110.05 4830.24,2109.54 4832.06,2109.04 4833.88,2108.53 4835.68,2108.03 4837.47,2107.53 4839.25,2107.04 4841.02,2106.55 4842.78,2106.05 4844.53,2105.57 4846.26,2105.08 4847.99,2104.6 4849.71,2104.11 4851.41,2103.63 4853.11,2103.16 4854.79,2102.68 4856.47,2102.21 4858.13,2101.74 4859.79,2101.27 4861.43,2100.8 4863.07,2100.34 4864.69,2099.88 4866.31,2099.41 4867.91,2098.96 4869.51,2098.5 4871.1,2098.05 4872.67,2097.59 4874.24,2097.14 4875.8,2096.69 4877.35,2096.25 4878.9,2095.8 4880.43,2095.36 4881.95,2094.92 4883.47,2094.48 4884.97,2094.04 4886.47,2093.61 4887.96,2093.17 4889.44,2092.74 4890.92,2092.31 4892.38,2091.88 4893.84,2091.46 4895.28,2091.03 4896.72,2090.61 4898.15,2090.19 4899.58,2089.77 4900.99,2089.35 4902.4,2088.93 4903.8,2088.52 4905.2,2088.1 4906.58,2087.69 4907.96,2087.28 4909.33,2086.87 4910.69,2086.47 4912.05,2086.06 4913.39,2085.66 4914.73,2085.25 4916.07,2084.85 4917.39,2084.45 4918.71,2084.05 4920.02,2083.66 4921.33,2083.26 4922.63,2082.87 4923.92,2082.48 4925.2,2082.09 4926.48,2081.7 4927.75,2081.31 4929.01,2080.92 4930.27,2080.53 4931.52,2080.15 4934,2079.39 4936.46,2078.63 4938.89,2077.87 4941.3,2077.12 4943.68,2076.38 4946.04,2075.64 4948.37,2074.91 4950.68,2074.18 4952.97,2073.45 4955.23,2072.73 4957.48,2072.01 4959.7,2071.3 4961.89,2070.59 4964.07,2069.89 4966.23,2069.19 4968.36,2068.49 4970.48,2067.8 4972.57,2067.11 4974.64,2066.43 4976.7,2065.75 4978.73,2065.07 4980.75,2064.4 4982.75,2063.73 4984.72,2063.07 4986.68,2062.4 4988.63,2061.75 4990.55,2061.09 4992.46,2060.44 4994.35,2059.79 4996.22,2059.14 4998.07,2058.5 4999.91,2057.86 5001.73,2057.22 5003.54,2056.59 5005.33,2055.96 5007.1,2055.33 5008.86,2054.71 5010.6,2054.08 5012.33,2053.46 5014.04,2052.85 5015.74,2052.23 5017.42,2051.62 5019.09,2051.01 5020.75,2050.4 5022.39,2049.8 5024.01,2049.19 5025.62,2048.59 5027.22,2048 5028.81,2047.4 5030.38,2046.81 5031.94,2046.22 5033.49,2045.63 5035.02,2045.04 5036.54,2044.45 5038.05,2043.87 5039.54,2043.29 5041.03,2042.71 5042.5,2042.13 5043.96,2041.56 5045.41,2040.98 5046.84,2040.41 5048.27,2039.84 5049.68,2039.27 5051.09,2038.7 5052.48,2038.14 5053.86,2037.57 5055.23,2037.01 5056.59,2036.45 5057.93,2035.89 5059.27,2035.33 5060.6,2034.77 5061.92,2034.22 5063.22,2033.67 5064.52,2033.11 5065.81,2032.56 5067.09,2032.01 5068.35,2031.46 5069.61,2030.91 5070.86,2030.37 5072.1,2029.82 5073.33,2029.28 5074.55,2028.73 5075.76,2028.19 5076.97,2027.65 5078.16,2027.11 5079.35,2026.57 5080.52,2026.03 5081.69,2025.49 5082.85,2024.96 5084,2024.42 5085.15,2023.89 5086.28,2023.35 5087.41,2022.82 5088.52,2022.29 5089.64,2021.76 5090.74,2021.22 5091.83,2020.69 5092.92,2020.16 5094,2019.63 5095.07,2019.11 5096.14,2018.58 5097.19,2018.05 5098.24,2017.52 5099.28,2017 5100.32,2016.47 5101.35,2015.94 5102.37,2015.42 5103.38,2014.89 5104.39,2014.37 5105.39,2013.85 5106.38,2013.32 5107.37,2012.8 5108.35,2012.28 5109.32,2011.75 5110.29,2011.23 5111.25,2010.71 5112.2,2010.19 5113.15,2009.66 5114.09,2009.14 5115.02,2008.62 5115.95,2008.1 5116.87,2007.58 5117.79,2007.06 5118.7,2006.53 5119.61,2006.01 5120.5,2005.49 5121.4,2004.97 5122.28,2004.45 5123.16,2003.93 5124.04,2003.41 5124.91,2002.88 5125.77,2002.36 5126.63,2001.84 5127.49,2001.32 5128.33,2000.8 5129.18,2000.28 5130.01,1999.75 5130.84,1999.23 5131.67,1998.71 5132.49,1998.18 5133.31,1997.66 5134.12,1997.14 5134.93,1996.61 5135.73,1996.09 5136.52,1995.56 5137.31,1995.04 5138.49,1994.25 5139.66,1993.46 5140.81,1992.67 5141.96,1991.88 5143.09,1991.08 5144.22,1990.29 5145.33,1989.49 5146.43,1988.7 5147.53,1987.9 5148.61,1987.1 5149.69,1986.3 5150.75,1985.49 5151.8,1984.69 5152.85,1983.88 5153.89,1983.07 5154.91,1982.26 5155.93,1981.45 5156.94,1980.64 5157.94,1979.82 5158.93,1979 5159.92,1978.18 5160.89,1977.36 5161.86,1976.53 5163.13,1975.43 5164.39,1974.32 5165.64,1973.2 5166.87,1972.08 5168.09,1970.96 5169.29,1969.83 5170.48,1968.7 5171.95,1967.27 5173.4,1965.84 5174.82,1964.39 5176.23,1962.94 5177.9,1961.18 5179.8,1959.11 5181.93,1956.72 cw(c5041.77,1833.83) 5184.28,1953.99 cw(c5043.25,1835.08) 5187.81,1949.67 cw(c5044.1,1835.76) 5198.07,1935.37 cw(c5041.47,1834.03) 5200.02,1932.29 5201.71,1929.5 5203.17,1927.03 5204.39,1924.87 5205.39,1923.05 5206.38,1921.21 5207.36,1919.35 5208.13,1917.85 5208.89,1916.33 5209.65,1914.79 5210.39,1913.25 5211.13,1911.68 5211.86,1910.1 5212.58,1908.5 5213.12,1907.3 5213.65,1906.08 5214.17,1904.85 5214.7,1903.61 5215.21,1902.37 5215.73,1901.11 5216.24,1899.84 5216.74,1898.56 5217.24,1897.27 5217.74,1895.97 5218.23,1894.66 5218.71,1893.34 5219.2,1892.01 5219.67,1890.66 5220.15,1889.31 5220.62,1887.94 5221.08,1886.56 5221.55,1885.16 5222,1883.76 5222.31,1882.81 5222.61,1881.86 5222.9,1880.91 5223.2,1879.94 5223.5,1878.98 5223.79,1878 5224.08,1877.02 5224.37,1876.04 5224.66,1875.04 5224.94,1874.04 5225.23,1873.04 5225.51,1872.03 5225.79,1871.01 5226.07,1869.98 5226.35,1868.95 5226.62,1867.91 5226.89,1866.87 5227.17,1865.82 5227.43,1864.76 5227.7,1863.69 5227.97,1862.62 5228.23,1861.53 5228.49,1860.45 5228.75,1859.35 5229.01,1858.25 5229.27,1857.14 5229.53,1856.02 5229.78,1854.89 5230.03,1853.75 5230.28,1852.61 5230.53,1851.46 5230.77,1850.3 5231.02,1849.13 5231.26,1847.96 5231.5,1846.77 5231.74,1845.58 5231.98,1844.38 5232.21,1843.16 5232.45,1841.94 5232.68,1840.71 5232.91,1839.48 5233.13,1838.23 5233.36,1836.97 5233.58,1835.7 5233.81,1834.43 5234.03,1833.14 5234.25,1831.84 5234.46,1830.54 5234.68,1829.22 5234.89,1827.89 5235.1,1826.55 5235.31,1825.2 5235.52,1823.84 5235.73,1822.47 5235.93,1821.09 5236.13,1819.7 5236.33,1818.3 5236.53,1816.88 5236.73,1815.45 5236.92,1814.01 5237.12,1812.56 5237.31,1811.1 5237.5,1809.62 5237.68,1808.13 5237.87,1806.63 5238.05,1805.11 5238.23,1803.59 5238.41,1802.05 5238.59,1800.49 5238.77,1798.92 5238.94,1797.34 5239.11,1795.74 5239.28,1794.13 5239.45,1792.51 5239.61,1790.87 5239.78,1789.22 5239.94,1787.55 5240.1,1785.86 5240.25,1784.16 5240.41,1782.44 5240.56,1780.71 5240.71,1778.96 5240.86,1777.2 5241.01,1775.41 5241.16,1773.61 5241.3,1771.8 5241.44,1769.96 5241.58,1768.11 5241.71,1766.24 5241.85,1764.35 5241.98,1762.45 5242.11,1760.52 5242.24,1758.57 5242.36,1756.61 5242.48,1754.62 5242.61,1752.62 5242.72,1750.59 5242.84,1748.54 5242.95,1746.48 5243.06,1744.39 5243.17,1742.27 5243.28,1740.14 5243.38,1737.98 5243.43,1736.9 5243.48,1735.8 5243.53,1734.7 5243.58,1733.6 5243.63,1732.49 5243.68,1731.37 5243.73,1730.25 5243.77,1729.12 5243.82,1727.98 5243.87,1726.84 5243.91,1725.69 5243.95,1724.54 5244,1723.38 5244.04,1722.21 5244.08,1721.04 5244.12,1719.86 5244.16,1718.67 5244.2,1717.48 5244.24,1716.28 5244.28,1715.07 5244.32,1713.86 5244.36,1712.64 5244.39,1711.41 5244.43,1710.18 5244.47,1708.94 5244.5,1707.69 5244.53,1706.43

## Other copper
Top Layer:
  pour cut-out: 4150,1645 4095,1645 4095,1700 ccw(c4095,1740) 4135,1740 4135,1745 4141.7,1745 cw(c4141.7,1739.18) 4147.52,1739.18
  pour cut-out: 4190,1645 4215,1645 4215,1677.93 cw(c4232.07,1677.93) 4220,1690 4205.61,1704.39 cw(c4231.21,1730) 4195,1730 ccw(c4219.14,1705.86) 4185,1705.86 4185,1665
  pour cut-out: 4016.9,1448.31 4117.21,1448.31 4217.26,1448.31 4165,1510 ccw(c4117,1462) 4116.99,1529.88 4090.87,1524.66
  text "湖北工业大学 / 蓝电零队 / 节能信标组 2021年8月 / 李欣泽 张翰霆 韩景琦" at 5180,1105 h80 r90
Bottom Layer:
  pour cut-out: 3950,1575 3950,1519.73 ccw(c3969.56,1519.73) 3955.73,1505.9 ccw(c3955.73,1542.52) 3981.62,1516.62 3995,1530

## Silkscreen, mask and mechanical layers (free items; w line width, h text height)
Top Overlay:
  drawing of 2310 lines, arcs and shapes, not listed
Top Solder:
  lines w150: 3106.1,1441.83 ccw(c3754.11,2089.84) 3754.18,1173.41 ; 3754.36,1173.41 4091.39,1173.41 ; 4091.57,1173.41 cw(c4091.64,256.99) 4739.65,905
  text "湖北工业大学 / 蓝电零队 / 节能信标组 2021年8月 / 李欣泽 张翰霆 韩景琦" at 5180,1105 h80 r90
Mechanical 1:
  drawing of 844 lines, arcs and shapes, not listed